# Altium PCB 通用工装板.PcbDoc (part 6 of 10) (continued)
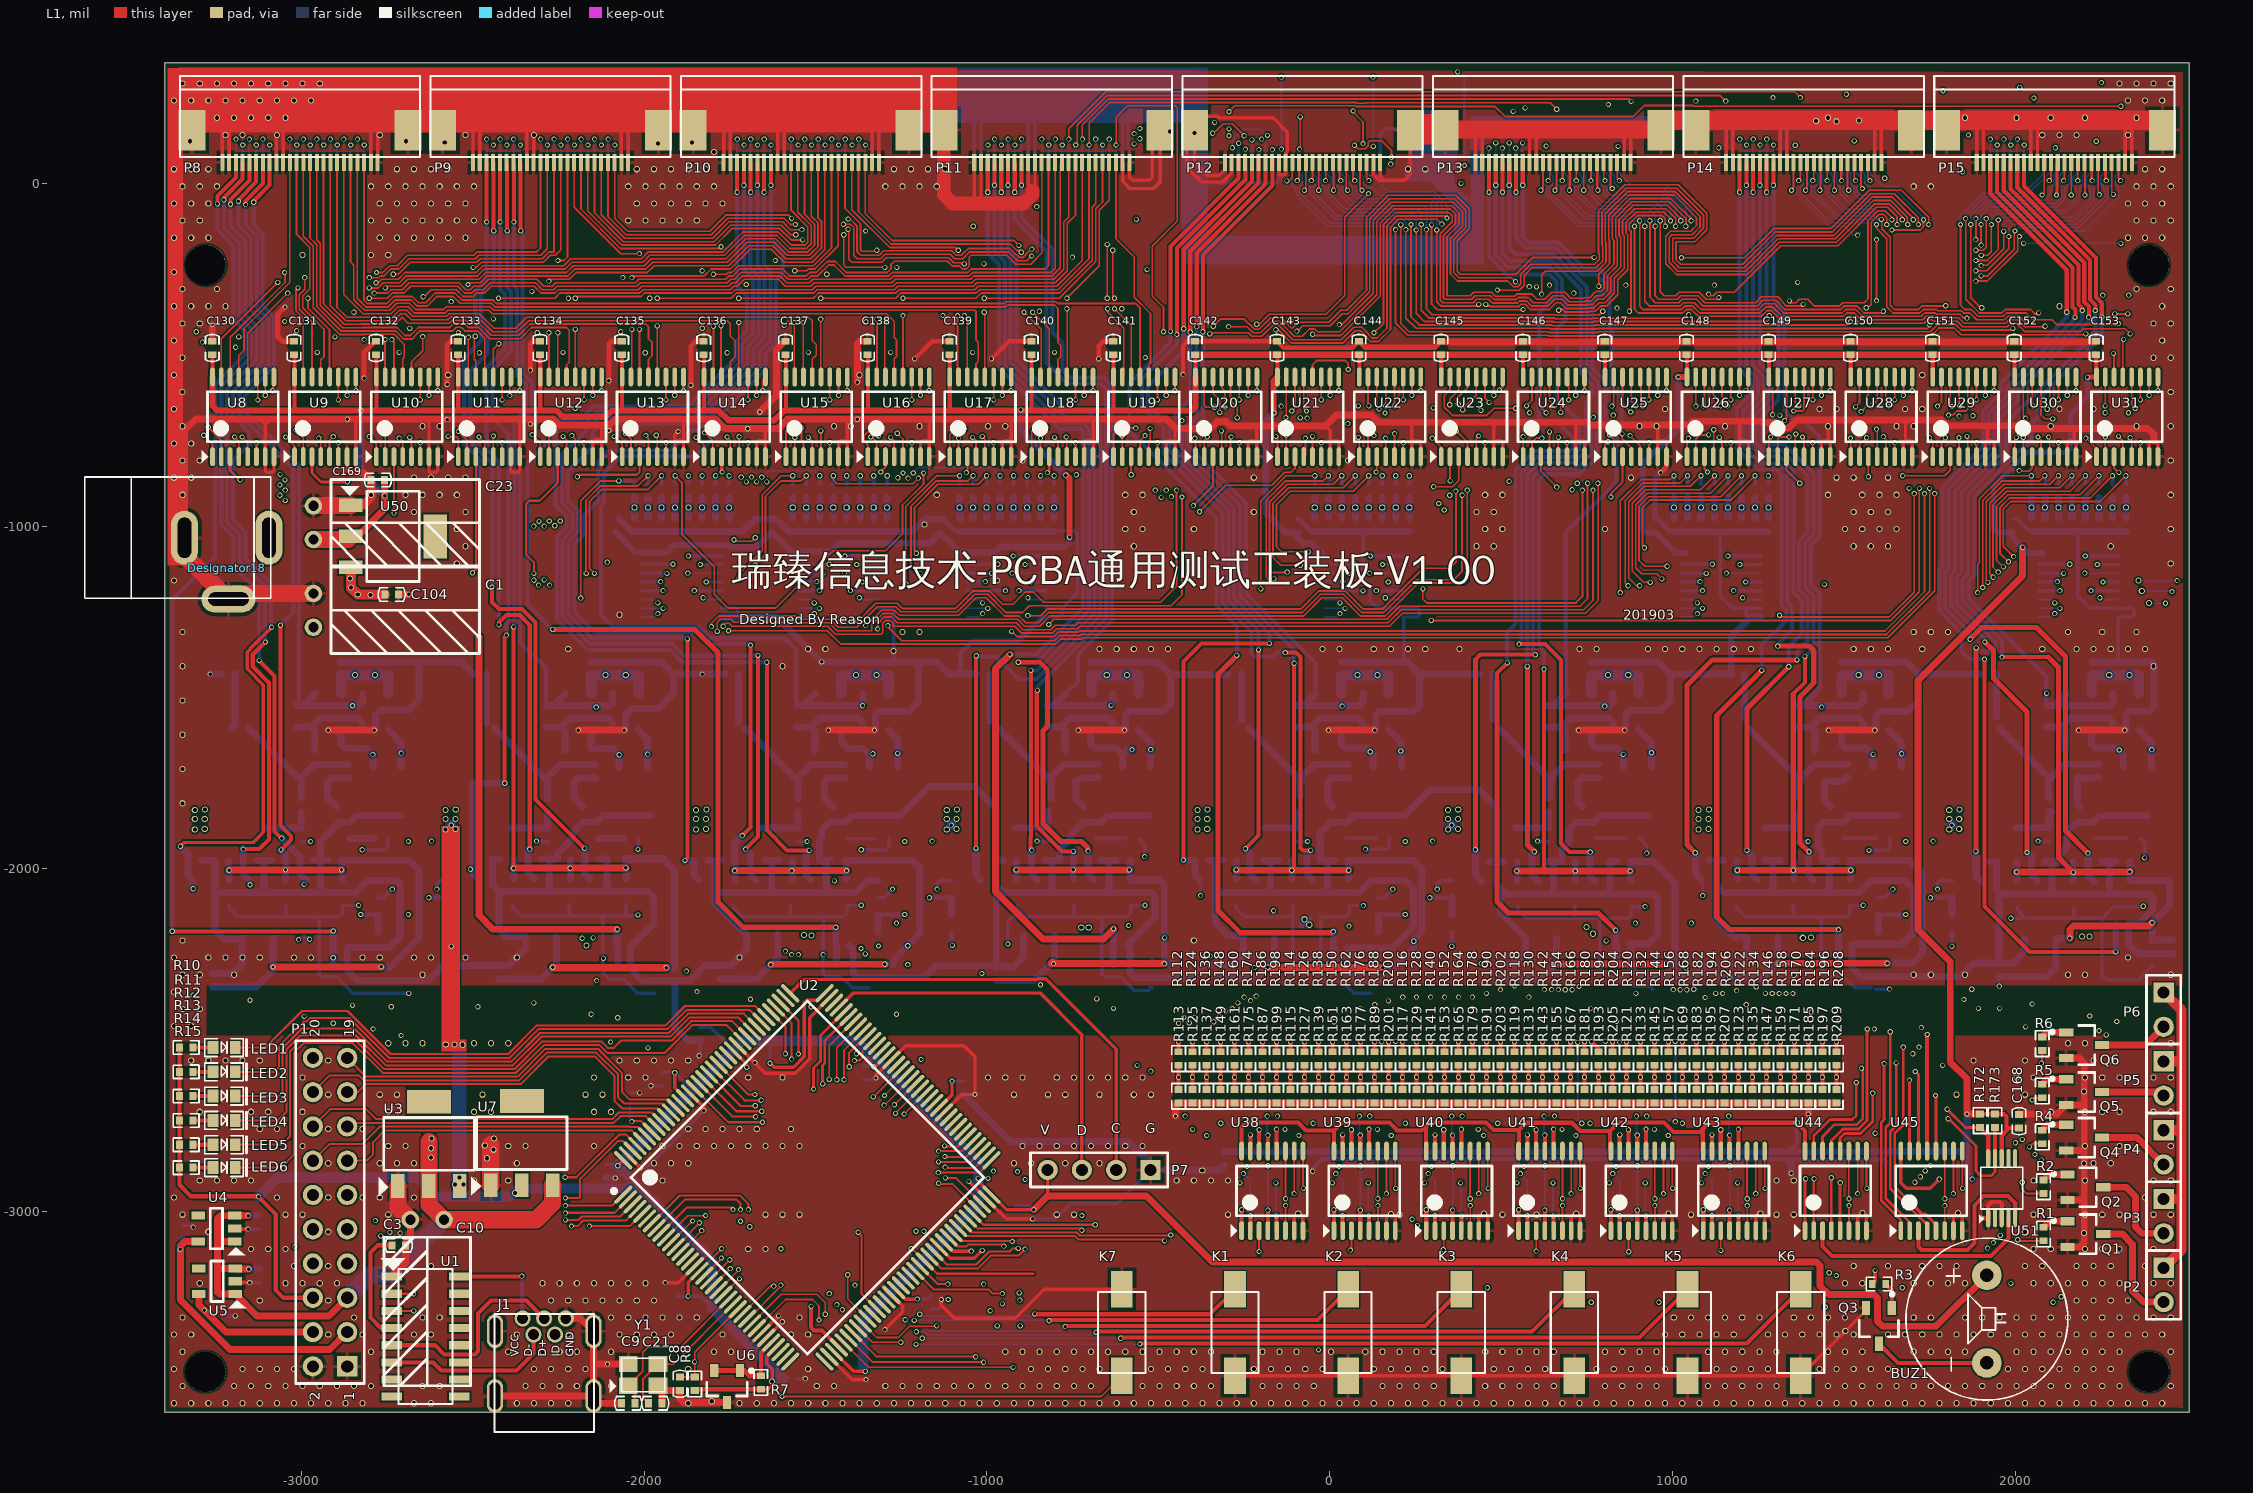
[diagram p0: L1 view]
## Nets (pads, with @x,y where several pads share a name; then routed paths per layer and width w, separated by ;. In a path a pad name is that pad's centre, name@x,y a point inside that pad or via, vN(x,y) a via of type N, cw(c..) or ccw(c..) an arc to the next point about the centre after c; other vN are vias at no path point) (continued)
  L2 w5: v1(-566,-714) -566,-107 v1(-564,-105)
  L3 w5: v1(-564,-105) -539.8,-105 -528.8,-116 -35.65,-116 -29.65,-110 56,-110 128,-38 128,-6 v1(114,8)
M4_GPIO12: P20.3 U20.1 | length 1803.1
  L1 w5: v1(-394,-743) -391.71,-745.29 U20.1@-391.71,-797.27 ; v1(-350,-439) -347,-436 -237.5,-436 -227.5,-446 -198,-446 -164,-412 -150.79,-412 -142,-420.79 -142,-421.6 -107.6,-456 33.86,-456 69.86,-420 94.14,-420 114,-439.86 114,-442.21 123,-451.21 137.79,-451.21 167,-422 167,-123.86 195.86,-95 336,-95 v1(342,-101)
  L2 w5: v1(-394,-743) -361,-710 -361,-642.64 -350,-631.64 v1(-350,-439)
  L4 w5: P20.3@107.35,60.67 107.35,30.65 115,23 120.21,23 168.21,-25 304.28,-25 342,-62.72 v1(342,-101)
M4_GPIO13: P20.4 U21.1 | length 1637.6
  L1 w5: v1(-157,-738) -152.75,-742.25 U21.1@-152.75,-797.27 ; v1(-157,-427) -150.74,-427 -111.74,-466 38,-466 74,-430 90,-430 104,-444 104,-446.36 118.86,-461.21 141.93,-461.21 177,-426.14 177,-128 200,-105 313,-105 v1(327,-119)
  L2 w5: v1(-157,-738) -157,-686.21 -121,-650.21 -121,-463 v1(-157,-427)
  L4 w5: P20.4@87.66,60.67 87.66,28.69 98,18.36 98,-2.79 109,-13.79 124.79,-13.79 146,-35 300.14,-35 327,-61.86 v1(327,-119)
M4_GPIO14: P20.5 U22.1 | length 1415.7
  L1 w5: v1@-214,-409 v1@-213,-409 ; v1(-213,-411) -211,-413 -211,-415 -209.43,-415 -176.43,-382 -11,-382 44,-327 44,-99 v1(113,-30) ; v1(83,-741) 86.21,-744.21 U22.1@86.21,-797.27
  L2 w5: v1(-213,-411) -131,-493 -131,-639 v1(-142,-650) ; v1(83,-741) v1(83,-649)
  L3 w5: v1(-142,-650) -141,-649 v1(83,-649)
  L4 w5: P20.5@67.98,60.67 67.98,34.24 88,14.21 88,1.79 77,-9.21 77,-24.21 87.79,-35 108,-35 v1(113,-30)
M4_GPIO15: P20.6 U23.1 | length 1388.7
  L1 w5: v1(299,-743) 325.17,-769.17 U23.1@325.17,-797.27 ; v1(312,-136) 312,-345 325,-358 429.41,-358 v1(434.41,-353)
  L2 w5: v1(299,-743) 299,-658 v1(302,-655) ; v1(434.41,-353) 434.41,-655.41 v1(441,-662)
  L3 w5: v1(302,-655) 325,-655 332,-662 367.79,-662 381.79,-676 394.21,-676 408.21,-662 v1(441,-662)
  L4 w5: P20.6@48.29,60.67 48.29,29.71 57,21 57,-3 67,-13 67,-28.36 83.64,-45 296,-45 312,-61 v1(312,-136)
M4_I2C_SCL: P20.14 U31.1 | length 3142.7
  L1 w5: v1(192,-135) 192,-408 227,-443 634.93,-443 636.93,-445 785.49,-445 787.18,-443.31 1755.83,-443.31 1777.14,-422 1821.93,-422 1841.93,-442 2203,-442 v1(2206,-439) ; v1(2206,-743) 2236.84,-773.84 U31.1@2236.84,-797.27
  L2 w5: v1(2206,-743) 2206,-598 2184,-576 2184,-461 v1(2206,-439)
  L4 w5: P20.14@-109.19,60.67 -110,59.86 -110,-3.79 -99,-14.79 -99,-30.36 -4.25,-125.11 185.11,-125.11 192,-132 v1(192,-135)
M4_I2C_SDA: P20.13 U30.1 | length 2924.9
  L1 w5: v1(207,-121) 207,-408.86 231.14,-433 639.08,-433 641.08,-435 781.35,-435 783.04,-433.31 1751.69,-433.31 1773,-412 1826.08,-412 1842.08,-428 1988,-428 v1(1993,-423) ; U30.1@1997.88,-797.27 1997.88,-747.88 2004.76,-741 v1(2003,-741)
  L2 w5: v1(1993,-423) 2014,-444 2014,-700 2004.76,-709.24 2003,-711 v1(2003,-741)
  L4 w5: P20.13@-89.5,60.67 -89.5,31.5 -80,22 -80,-3 -89,-12 -89,-26.21 -0.11,-115.11 57.89,-115.11 58,-115 201,-115 v1(207,-121)
M4_SPI_CLK: P20.11 U28.1 | length 2388.2
  L1 w5: v1(237,-120) 237,-389 261,-413 647.36,-413 649.36,-415 773.07,-415 774.75,-413.31 1508.69,-413.31 v1(1519,-403) ; v1(1519,-743) 1519.96,-743.96 U28.1@1519.96,-797.27
  L2 w5: v1@1519,-747 v1(1519,-743) v1(1519,-403)
  L4 w5: P20.11@-50.13,60.67 -50.13,27.54 -37,14.41 -37,1.79 -47,-8.21 -47,-26.21 21.79,-95 218,-95 237,-114 v1(237,-120)
M4_SPI_CS: P20.12 U29.1 | length 2629.1
  L1 w5: v1(222,-135) 222,-393 252,-423 643.22,-423 645.22,-425 777.21,-425 778.9,-423.31 1743.69,-423.31 1750,-417 v1(1750,-413) ; v1(1750,-742) 1758.92,-750.92 U29.1@1758.92,-797.27
  L2 w5: v1@1750,-746 v1(1750,-742) v1(1750,-413)
  L4 w5: P20.12@-69.82,60.67 -69.82,29.82 -69,29 -69,1.79 -57,-10.21 -57,-30.36 17.64,-105 212.21,-105 222,-114.79 v1(222,-135)
M4_SPI_MISO: P20.9 U26.1 | length 1886.4
  L1 w5: v1(267,-120) 267,-370 290,-393 655.64,-393 657.64,-395 764.78,-395 766.47,-393.31 1036.47,-393.31 v1(1046.78,-383) ; U26.1@1042.05,-797.27 1042.05,-746.95 v1(1046,-743)
  L2 w5: v1(1046,-743) 1046.78,-742.22 v1(1046.78,-383)
  L4 w5: P20.9@-10.76,60.67 -10.76,29.7 4.23,14.71 4.23,2.28 -4.02,-5.98 -4.02,-26.19 44.79,-75 254,-75 267,-88 v1(267,-120)
M4_SPI_MOSI: P20.10 U27.1 | length 2154.8
  L1 w5: v1(252,-136) 252,-379 276,-403 651.5,-403 653.5,-405 768.92,-405 770.61,-403.31 1274.69,-403.31 1282,-396 v1(1282,-386) ; U27.1@1281,-797.27 1281,-744 1285,-740 v1(1286,-740)
  L2 w5: v1(1282,-386) 1292,-396 1292,-653.79 1277,-668.79 1277,-731 v1(1286,-740)
  L4 w5: P20.10@-30.45,60.67 -30.45,25.45 -27,22 -27,1.79 -14.02,-11.19 -14.02,-30.33 40.64,-85 238,-85 252,-99 v1(252,-136)
M4_UART_RX: P20.8 U25.1 | length 1630.6
  L1 w5: v1(282,-135) 282,-366 299,-383 659.79,-383 661.79,-385 760.64,-385 762.33,-383.31 785.9,-383.31 v1(796.21,-373) ; v1@796.21,-378 v1@799,-378 ; U25.1@803.09,-797.27 803.09,-760.91 810,-754 v1(812,-754)
  L2 w5: v1(796.21,-373) 796.21,-739.79 810.43,-754 v1(812,-754)
  L4 w5: P20.8@8.92,60.67 8.92,29.08 14.23,23.77 14.23,-2.02 26,-13.79 26,-29.36 61.64,-65 274,-65 282,-73 v1(282,-135)
M4_UART_TX: P20.7 U24.1 | length 1385.5
  L1 w5: v1(297,-121) 297,-352 314,-369 563,-369 v1(564,-368) ; v1(564,-739) 564.13,-739.13 U24.1@564.13,-797.27 ; v1@564.21,-368 v1@568,-368
  L2 w5: v1(564,-739) 564.21,-738.79 557,-731.57 557,-644.79 573,-628.79 573,-377 v1(564,-368)
  L4 w5: P20.7@28.61,60.67 28.61,32.61 47,14.21 47,-3.79 37,-13.79 37,-26.21 65.79,-55 291.86,-55 297,-60.14 v1(297,-121)
M5_ADC1: P21.17 R26.1 | length 4438
  L1 w5: v1(-1787,-1307) -1787,-1281 -1778,-1272 -1747,-1272 -1739,-1280 -1556,-1280 -1554,-1282 -1460.72,-1282 -1437.72,-1305 -1338,-1305 -1336,-1303 -1336,-1287.5 -1303.5,-1255 -1274.5,-1255 -1257.5,-1272 -910.72,-1272 -890.72,-1292 -846.21,-1292 -816.21,-1262 -76,-1262 -23,-1209 35.98,-1209 88.98,-1262 161.72,-1262 257.72,-1166 393,-1166 401,-1158 v1(401,-895)
  L2 w5: v1(401,-895) 400.14,-894.14 400.14,-864.14 488.12,-776.16 488.12,-670.6 532,-626.72 532,-581.72 474.41,-524.13 474.41,-387.28 490,-371.69 490,-335.72 449,-294.72 449,-16 562.74,97.74 v1(562.74,118)
  L2 w6: v1(-1831.11,-853.04) -1800.65,-883.5 -1750.96,-883.5 -1721,-913.46 -1721,-959.56 -1787,-1025.56 v1(-1787,-1307)
  L4 w5: P21.17@562.91,60.67 v1@562.91,118
  L4 w12: R26.1@-1831.11,-876.34 v1(-1831.11,-853.04)
M5_ADC2: P21.18 R42.1 | length 3938.2
  L1 w5: v1(-1354,-1290) -1352.64,-1290 -1307.64,-1245 -1270.36,-1245 -1255.36,-1260 -1083,-1260 -1032,-1209 -1002,-1209 -949,-1262 -906.57,-1262 -886.57,-1282 -850.36,-1282 -820.36,-1252 -80.14,-1252 -27.14,-1199 40.12,-1199 93.12,-1252 157.57,-1252 253.57,-1156 362,-1156 386,-1132 v1(386,-910)
  L2 w5: v1(386,-910) 386,-864.14 478.12,-772.02 478.12,-661.48 478,-661.36 522,-617.36 522,-585.86 464.41,-528.27 464.41,-383.14 480,-367.55 480,-339.86 439,-298.86 439,-0.74 v1(542.74,103)
  L2 w6: v1(-1369.83,-853.04) -1337.35,-885.52 -1308.89,-885.52 -1222.5,-971.91 -1222.5,-1038.09 -1310.5,-1126.09 -1310.5,-1230.5 -1354,-1274 v1(-1354,-1290)
  L4 w5: P21.18@543.23,60.67 v1@543.23,102.51
  L4 w12: R42.1@-1369.83,-876.34 v1(-1369.83,-853.04)
M5_ADC3: P21.19 R58.1 | length 3340.4
  L1 w5: v1(-881,-1261) -843.5,-1261 -824.5,-1242 -84.28,-1242 -31.28,-1189 44.26,-1189 97.26,-1242 153.43,-1242 272.43,-1123 350,-1123 368,-1105 v1(368,-898)
  L2 w5: v1(368,-898) 365,-895 365,-892.14 376,-881.14 376,-860 468.12,-767.88 468.12,-713.12 468,-713 468,-657.21 512,-613.21 512,-590 454.41,-532.41 454.41,-379 470,-363.41 470,-344 429,-303 429,7.42 523.37,101.79 v1(523.37,118)
  L2 w6: v1(-882.83,-853.04) -882.83,-889.17 -860,-912 -792,-912 -782,-922 -782,-972 -783.5,-973.5 -783.65,-973.5 -827,-1016.85 -827,-1196 -881,-1250 v1(-881,-1261)
  L4 w5: P21.19@523.54,60.67 v1@523.54,118
  L4 w12: R58.1@-882.83,-876.34 v1(-882.83,-853.04)
M5_ADC4: P21.20 R74.1 | length 1391
  L2 w5: v1(350,-910) 350,-893 366,-877 366,-776.72 365.28,-776 424,-717.28 424,-621.36 419,-616.36 419,11.56 503.37,95.93 v1(503.37,103)
  L3 w5: v1(153.24,-853.04) 151,-855.28 151,-889 172,-910 v1(350,-910)
  L4 w5: P21.20@503.86,60.67 v1@503.86,102.51
  L4 w12: R74.1@153.24,-876.34 v1(153.24,-853.04)
M5_ADC5: P21.21 R90.1 | length 2575.9
  L1 w5: v1(984,-1117) 919,-1117 902.28,-1100.28 902.28,-941.71 929.99,-914 1140.11,-914 v1(1201.07,-853.04)
  L2 w5: v1(334,-953) 333,-952 333,-794.14 414,-713.14 414,-633.5 409,-628.5 409,15.7 484,90.7 v1(484,118)
  L3 w5: v1(334,-953) 334,-1049.44 373.56,-1089 956,-1089 v1(984,-1117)
  L4 w5: P21.21@484.17,60.67 v1@484.17,118
  L4 w12: R90.1@1201.07,-876.34 v1(1201.07,-853.04)
M5_ADC6: P21.22 R106.1 | length 3581.2
  L1 w5: v1(1965,-1119) 1945,-1099 1945,-941.71 1978.67,-908.04 2188.79,-908.04 v1(2243.79,-853.04)
  L2 w5: v1(318,-934) 318,-795 357,-756 357,-755.21 404,-708.21 404,-637.64 399,-632.64 399,20 464,85 v1(464,103)
  L3 w5: v1(318,-934) 318,-1047.58 369.42,-1099 943.43,-1099 987.36,-1142.93 1110.29,-1020 1246.71,-1020 1331.71,-1105 1871.71,-1105 1886.46,-1119.75 1887.22,-1119 v1(1965,-1119)
  L4 w5: v1(464,103) 464.49,102.51 P21.22@464.49,60.67
  L4 w12: R106.1@2243.73,-876.34 v1(2243.79,-853.04)
M5_FADC1: R26.2 R27.1 U32.5 | length 392.6
  L2 w10: v1@-1853.5,-1187.5 -1853.5,-968.35 v2(-1831.15,-946)
  L3 w10: v1(-1854,-1188) v1@-1853.5,-1187.5
  L4 w10: v1(-1854,-1188) -1774.33,-1188 U32.5@-1773.98,-1188.35
  L4 w20: R27.1@-1831.11,-976.69 R26.2@-1831.11,-915.71
M5_FADC2: R42.2 R43.1 U33.5 | length 392.1
  L2 w10: v1@-1397.59,-1187.5 -1397.59,-968.35 v2@-1375.24,-946
  L3 w10: v1(-1398.09,-1188) v1@-1397.59,-1187.5
  L4 w10: v1(-1398.09,-1188) U33.5@-1318.43,-1188
  L4 w20: R43.1@-1369.89,-976.73 R42.2@-1369.89,-915.71
  other v2: -1369.93,-946
M5_FADC3: R58.2 R59.1 U34.5 | length 392.1
  L2 w10: v1@-906.26,-1187.5 -906.26,-968.35 v2@-883.91,-946
  L3 w10: v1(-906.76,-1188) v1@-906.26,-1187.5
  L4 w10: v1(-906.76,-1188) U34.5@-827.09,-1188
  L4 w20: R59.1@-882.95,-976.69 R58.2@-882.89,-915.71
  other v2: -882.98,-946
M5_FADC4: R74.2 R75.1 U35.5 | length 392.1
  L2 w10: v1@136.26,-1187.5 136.26,-968.35 v2@158.61,-946
  L3 w10: v1(135.76,-1188) v1@136.26,-1187.5
  L4 w10: v1(135.76,-1188) U35.5@215.43,-1188
  L4 w20: R75.1@153.18,-976.73 R74.2@153.18,-915.71
  other v2: 153.14,-946
M5_FADC5: R90.2 R91.1 U36.5 | length 392.1
  L2 w10: v1@1178.78,-1187.5 1178.78,-968.35 v2@1201.13,-946
  L3 w10: v1(1178.28,-1188) v1@1178.78,-1187.5
  L4 w10: v1(1178.28,-1188) U36.5@1257.95,-1188
  L4 w20: R91.1@1201.01,-976.69 R90.2@1201.01,-915.71
  other v2: 1200.97,-946
M5_FADC6: R106.2 R107.1 U37.5 | length 392.1
  L2 w10: v1@2221.3,-1187.5 2221.3,-968.35 v2(2243.69,-946)
  L3 w10: v1(2220.8,-1188) v1@2221.3,-1187.5
  L4 w10: v1(2220.8,-1188) U37.5@2300.47,-1188
  L4 w20: R107.1@2243.73,-976.73 R106.2@2243.73,-915.71
M5_GPIO0: P13.11 U8.5 | length 4552.9
  L1 w5: v1(-3173,-740) -3156.86,-756.14 U8.5@-3156.86,-797.27 ; v1(616,-20) 621.97,-14.03 P13.11@621.97,60.67
  L2 w5: v1(-3183,-448) -3173,-458 v1(-3173,-740)
  L3 w5: v1(-3183,-448) -3178,-453 -3072.36,-453 -3024.36,-405 -3003.64,-405 -2960.64,-448 -2935.36,-448 -2930.36,-453 -2928.21,-453 -2908.21,-433 -2858.43,-433 -2825.43,-400 -2701.43,-400 -2691.43,-390 -2599.71,-390 -2570.14,-360.43 -2356.64,-360.43 -2326.21,-330 -2279.64,-330 -2239.64,-290 -2182.36,-290 -2172.36,-300 -2028.57,-300 -1998.57,-270 -1825,-270 -1805,-250 -1749.08,-250 -1729.08,-230 -1675.23,-230 -1665.23,-240 -1597.28,-240 -1577.28,-220 -1532.63,-220 -1502.63,-190 -1383.13,-190 -1343.13,-150 -1309.07,-150 -1297.85,-138.79 -1119.71,-138.79 -1110.92,-130 -1057.08,-130 -1047.08,-140 -1010.14,-140 -953.14,-83 -741.56,-83 -737.56,-87 -692.35,-87 -688.35,-83 -609.65,-83 -572.65,-120 -538.94,-120 -532.94,-126 -31.51,-126 -25.51,-120 155.79,-120 186.79,-151 318.21,-151 327,-142.21 327,-142.16 363.16,-106 363.21,-106 427.21,-42 557.31,-42 564.31,-35 601,-35 v1(616,-20)
M5_GPIO1: P13.12 U9.5 | length 4245.4
  L1 w5: U9.5@-2917.9,-797.27 -2917.9,-749.9 v1(-2907,-739) ; v1(637,8) 641.65,12.65 P13.12@641.65,60.67
  L2 w5: v1(-2907,-739) -2907,-643.56 -2907.31,-643.25 -2907.31,-453.31 v1(-2902,-448)
  L3 w5: v1(-2902,-448) -2901,-449 -2860.28,-449 -2821.28,-410 -2692.21,-410 -2682.21,-400 -2595.57,-400 -2566,-370.43 -2352.5,-370.43 -2322.07,-340 -2275.5,-340 -2235.5,-300 -2186.5,-300 -2176.5,-310 -2024.43,-310 -1994.43,-280 -1775.07,-280 -1755.07,-260 -1744.93,-260 -1724.93,-240 -1679.37,-240 -1669.37,-250 -1593.14,-250 -1573.14,-230 -1528.49,-230 -1498.49,-200 -1378.99,-200 -1338.99,-160 -1304.92,-160 -1293.71,-148.79 -1115.57,-148.79 -1106.78,-140 -1061.22,-140 -1051.22,-150 -1005.99,-150 -948.99,-93 -745.71,-93 -741.71,-97 -688.21,-97 -684.21,-93 -613.79,-93 -576.79,-130 -543.09,-130 -537.09,-136 -27.37,-136 -21.37,-130 151.64,-130 182.64,-161 322.36,-161 431.36,-52 561.45,-52 568.45,-45 612.21,-45 637,-20.21 v1(637,8)
M5_GPIO2: P13.13 U10.5 | length 4056.2
  L1 w5: v1(-2684,-741) -2678.94,-746.06 U10.5@-2678.94,-797.27 ; v1(657,-20) 661.34,-15.66 P13.13@661.34,60.67
  L2 w5: v1(-2684,-741) v1(-2684,-423)
  L3 w5: v1(-2684,-423) -2671,-410 -2591.43,-410 -2561.86,-380.43 -2348.36,-380.43 -2317.92,-350 -2271.36,-350 -2231.36,-310 -2190.64,-310 -2180.64,-320 -2020.28,-320 -1990.28,-290 -1770.92,-290 -1750.92,-270 -1740.79,-270 -1720.79,-250 -1683.51,-250 -1673.51,-260 -1589,-260 -1569,-240 -1524.35,-240 -1494.35,-210 -1374.85,-210 -1334.85,-170 -1300.78,-170 -1289.57,-158.79 -1111.43,-158.79 -1102.64,-150 -1065.36,-150 -1055.36,-160 -1001.85,-160 -944.85,-103 -749.85,-103 -745.85,-107 -684.07,-107 -680.07,-103 -617.93,-103 -580.93,-140 -547.23,-140 -541.23,-146 -23.22,-146 -17.22,-140 147.5,-140 178.5,-171 326.5,-171 435.5,-62 565.59,-62 572.59,-55 622,-55 v1(657,-20)
M5_GPIO3: P13.14 U11.5 | length 3930.3
  L1 w5: U11.5@-2439.98,-797.27 v1(-2440,-737) ; v1(678,8) 678,57.65 P13.14@681.02,60.67 681.02,11.02 v1(678,8)
  L2 w5: v1(-2440,-737) -2472,-705 -2472,-509 -2464,-501 -2464,-419.43 v1(-2440,-395.43)
  L3 w5: v1(-2440,-395.43) -2349.21,-395.43 -2313.78,-360 -2267.21,-360 -2227.21,-320 -2194.79,-320 -2184.79,-330 -2016.14,-330 -1986.14,-300 -1766.78,-300 -1746.78,-280 -1736.65,-280 -1716.65,-260 -1687.66,-260 -1677.66,-270 -1540.21,-270 -1516.57,-246.36 -1512.5,-246.36 -1486.14,-220 -1370.71,-220 -1330.71,-180 -1296.64,-180 -1285.43,-168.79 -1107.28,-168.79 -1098.5,-160 -1069.5,-160 -1059.5,-170 -997.71,-170 -940.71,-113 -753.99,-113 -749.99,-117 -679.92,-117 -675.92,-113 -622.08,-113 -585.08,-150 -551.37,-150 -545.37,-156 -19.08,-156 -13.08,-150 143.36,-150 174.36,-181 330.64,-181 439.64,-72 569.73,-72 576.73,-65 633.21,-65 678,-20.21 v1(678,8)
  L4 w5: v1(-2440,-395.43) -2439,-396.43 v1@-2439,-398
M5_GPIO4: P13.15 U12.5 | length 3813.8
  L1 w5: v1(-2211,-736) -2201.02,-745.98 U12.5@-2201.02,-797.27 ; v1(699,-20) 699,58.96 P13.15@700.71,60.67 700.71,-18.29 v1(699,-20)
  L2 w5: v1(-2221,-335) -2221,-726 v1(-2211,-736)
  L3 w5: v1(-2221,-335) -2221,-336.21 -2197.21,-360 -2091.71,-360 -2071.71,-340 -2012,-340 -1982,-310 -1762.64,-310 -1742.64,-290 -1732.51,-290 -1712.51,-270 -1691.8,-270 -1681.8,-280 -1536.07,-280 -1512.43,-256.36 -1508.36,-256.36 -1482,-230 -1332.5,-230 -1281.28,-178.79 -1103.14,-178.79 -1094.36,-170 -1073.64,-170 -1063.64,-180 -993.57,-180 -936.57,-123 -758.13,-123 -754.13,-127 -675.78,-127 -671.78,-123 -626.22,-123 -589.22,-160 -555.51,-160 -549.51,-166 -14.94,-166 -8.94,-160 139.22,-160 170.22,-191 334.78,-191 443.78,-82 573.87,-82 580.87,-75 685.01,-75 699,-61.01 v1(699,-20)
  L4 w5: v1(-2221,-335) -2219,-335 v1@-2218,-336
M5_GPIO5: P13.16 U13.5 | length 3489.4
  L1 w5: v1(-1965,-735) -1962.06,-737.94 U13.5@-1962.06,-797.27 ; v1(719,8) 719,59.28 P13.16@720.39,60.67
  L2 w5: v1(-1984,-335) -1982,-337 -1982,-718 v1(-1965,-735)
  L3 w5: v1(-1984,-335) -1984,-333 -1971,-320 -1758.5,-320 -1738.5,-300 -1728.37,-300 -1708.37,-280 -1695.94,-280 -1685.94,-290 -1531.92,-290 -1508.28,-266.36 -1504.22,-266.36 -1477.86,-240 -1328.36,-240 -1277.14,-188.79 -1099,-188.79 -1090.21,-180 -1077.79,-180 -1067.79,-190 -989.43,-190 -932.43,-133 -762.27,-133 -758.27,-137 -671.64,-137 -667.64,-133 -630.36,-133 -593.36,-170 -559.66,-170 -553.66,-176 -10.8,-176 -4.8,-170 135.08,-170 166.08,-201 338.92,-201 447.92,-92 578.02,-92 585.02,-85 689.15,-85 703.15,-71 703.71,-71 719,-55.71 v1(719,8)
M5_GPIO6: P13.17 U14.5 | length 3234.3
  L1 w5: U14.5@-1723.1,-797.27 v1(-1723.1,-739.1) ; P13.17@740.08,60.67 741,59.75 v1(741,-20)
  L2 w5: v1(-1723.1,-739.1) -1723.1,-440.1 -1708,-425 -1708,-300.85 v1(-1702.15,-295)
  L3 w5: v1(-1702.15,-295) -1697.15,-300 -1527.78,-300 -1507.78,-280 -1503.72,-280 -1473.72,-250 -1324.21,-250 -1294.21,-220 -1088.14,-220 -1078.14,-210 -1077.79,-210 -1069,-201.21 -1069,-200.86 -1068.14,-200 -985.28,-200 -928.28,-143 -766.42,-143 -762.42,-147 -667.5,-147 -663.5,-143 -634.5,-143 -597.5,-180 -563.8,-180 -557.8,-186 -6.66,-186 -0.66,-180 130.93,-180 161.93,-211 343.07,-211 452.07,-102 582.16,-102 589.16,-95 693.29,-95 707.29,-81 707.85,-81 741,-47.85 v1(741,-20)
M5_GPIO7: P13.18 U15.5 | length 3060.7
  L1 w5: U15.5@-1484.14,-797.27 v1@-1484.14,-722.86 ; P13.18@759.76,60.67 762,58.43 v1(762,8)
  L2 w5: v1(-1485,-722) -1485,-620 -1467.5,-602.5 v1(-1467.5,-265)
  L3 w5: v1(-1467.5,-265) -1467.5,-274.72 -1461.22,-281 -1297.07,-281 -1278,-261.93 -1278,-238.79 -1269.21,-230 -1084,-230 -1074,-220 -1073.64,-220 -1063.64,-210 -981.14,-210 -924.14,-153 -770.56,-153 -766.56,-157 -663.36,-157 -659.36,-153 -638.64,-153 -601.64,-190 -567.94,-190 -561.94,-196 -2.51,-196 3.49,-190 126.79,-190 157.79,-221 347.21,-221 456.21,-112 586.3,-112 593.3,-105 697.44,-105 711.44,-91 711.99,-91 762,-40.99 v1(762,8)
M5_GPIO8: P13.19 U16.5 | length 2952.9
  L1 w5: v1(-1262,-729) -1245.18,-745.82 U16.5@-1245.18,-797.27 ; v1@779.45,-17.45 P13.19@779.45,60.67 782,58.12 v1(782,-20) v1@779.45,-17.45
  L2 w5: v1(-1263,-245) -1263,-728 v1(-1262,-729)
  L3 w5: v1(-1263,-245) -1248,-260 -1069.14,-260 -1029.14,-220 -977,-220 -920,-163 -774.7,-163 -770.7,-167 -659.21,-167 -655.21,-163 -642.79,-163 -605.79,-200 -572.08,-200 -566.08,-206 1.63,-206 7.63,-200 122.65,-200 153.65,-231 351.35,-231 460.35,-122 590.44,-122 597.44,-115 701.58,-115 715.58,-101 716.14,-101 782,-35.14 v1(782,-20)
  L4 w5: v1@-1267,-249 v1(-1263,-245)
M5_GPIO9: P13.20 U17.5 | length 2628.6
  L1 w5: v1(-1014,-738) -1006.23,-745.77 U17.5@-1006.23,-797.27 ; P13.20@799.13,60.67 799.13,11.87 v1(803,8)
  L2 w5: v1(-1014,-738) -1014,-416 -993,-395 -993,-326 -1009,-310 v1(-1009,-235)
  L3 w5: v1(-1009,-235) -973.65,-235 -948.65,-260 -896.63,-260 -856.63,-220 -787,-220 -767,-200 -744,-200 -734,-210 -576.22,-210 -570.22,-216 5.77,-216 11.77,-210 118.51,-210 149.51,-241 355.49,-241 464.49,-132 594.58,-132 601.58,-125 705.72,-125 719.72,-111 720.28,-111 803,-28.28 v1(803,8)
M5_GPIO10: P13.21 U18.5 | length 2371.9
  L1 w5: v1(-769,-740) -767.27,-741.73 U18.5@-767.27,-797.27 ; P13.21@818.82,60.67 818.82,-14.82 819,-15 v1(824,-15)
  L2 w5: v1(-769,-740) -769,-631.76 -737.24,-600 -751,-586.24 v1(-751,-215)
  L3 w5: v1@-746,-220 -580.37,-220 -574.37,-226 9.91,-226 15.91,-220 114.37,-220 145.37,-251 359.63,-251 468.63,-142 598.73,-142 605.73,-135 709.86,-135 723.86,-121 724.42,-121 824,-21.42 v1(824,-15)
M5_GPIO11: P13.22 U19.5 | length 2147.1
  L1 w5: v1@-536.22,-256.22 -533,-253 v1(-533,-251) ; U19.5@-528.31,-797.27 -528.31,-757.31 -524,-753 v1(-524,-715) ; P13.22@838.5,60.67 838.5,14.5 v1(845,8)
  L2 w5: v1(-533,-251) -533,-253 -523,-263 -523,-517.21 -526,-520.21 -526,-713 v1(-524,-715)
  L3 w5: v1(-533,-251) -531,-251 -516,-236 14.06,-236 20.06,-230 110.22,-230 141.22,-261 363.78,-261 472.78,-152 602.87,-152 609.87,-145 714.01,-145 728.01,-131 740,-131 845,-26 v1(845,8)
M5_GPIO12: P21.3 U20.5 | length 2973.1
  L1 w5: v1(-295,-418) -241.36,-418 -223.36,-436 -202.14,-436 -168.14,-402 -146.64,-402 -132,-416.64 -132,-417.45 -103.45,-446 -80,-446 -59,-425 -43.79,-425 -35.79,-433 28.57,-433 137,-324.57 137,-111.43 183.43,-65 355.5,-65 377,-86.5 377,-120.5 342,-155.5 342,-328 409.91,-328 419.91,-318 471.79,-318 482.79,-329 539.36,-329 545.36,-323 589.43,-323 604.43,-338 627.57,-338 647.57,-318 685.64,-318 702.64,-335 739.93,-335 741.62,-333.31 758.12,-333.31 773.43,-318 775.79,-318 778.79,-315 791.21,-315 800,-306.21 800,-264.78 829,-235.78 829,-165.71 824,-160.71 824,-97.08 877.08,-44 994.36,-44 1054,-103.64 v1(1054,-109) ; U20.5@-289.35,-797.27 v1@-289.35,-741.35
  L2 w5: v1(-295,-418) -295,-636 -291,-640 -291,-737 v1(-288,-740)
  L4 w5: P21.3@838.5,60.67 838.5,35.71 878.21,-4 978.85,-4 1054,-79.15 v1(1054,-109)
M5_GPIO13: P21.4 U21.5 | length 2690.3
  L1 w5: U21.5@-50.39,-797.27 -50.39,-738.39 v1(-50,-738) ; v1(-50,-440) -46,-444 31.72,-444 147,-328.72 147,-115.57 187.57,-75 351.36,-75 367,-90.64 367,-116.36 332,-151.36 332,-336.72 333.28,-338 414.05,-338 424.05,-328 467.64,-328 478.64,-339 543.5,-339 549.5,-333 578.5,-333 593.5,-348 631.72,-348 651.72,-328 681.5,-328 698.5,-345 744.07,-345 745.76,-343.31 762.26,-343.31 777.57,-328 794.57,-328 810,-312.57 810,-268.92 839,-239.92 839,-161.57 834,-156.57 834,-101.22 881.22,-54 990.21,-54 1039,-102.79 v1(1039,-125)
  L2 w5: v1(-50,-738) v1(-50,-440)
  L4 w5: P21.4@818.82,60.67 818.82,33.18 830,22 830,1.79 845.79,-14 974.71,-14 1039,-78.29 v1(1039,-125)
M5_GPIO14: P21.5 U22.5 | length 2610.6
  L1 w5: v1(129,-436) 157,-408 157,-119.72 191.72,-85 347.21,-85 357,-94.79 357,-112.21 322,-147.21 322,-340.86 329.14,-348 418.2,-348 428.2,-338 463.5,-338 474.5,-349 547.64,-349 553.64,-343 574.36,-343 589.36,-358 635.86,-358 655.86,-338 677.36,-338 694.36,-355 748.21,-355 749.9,-353.31 766.4,-353.31 781.72,-338 798.72,-338 820,-316.72 820,-273.07 849,-244.07 849,-157.43 844,-152.43 844,-105.36 885.36,-64 985.14,-64 1024,-102.86 v1(1024,-109) ; U22.5@188.57,-797.27 188.57,-730.43 v1(189,-730)
  L2 w5: v1(129,-736) v1(129,-436)
  L3 w5: v1(129,-736) 131.14,-736 142.14,-725 184,-725 v1(189,-730)
  L4 w5: P21.5@799.13,60.67 799.13,35.87 818,17 818,1 809,-8 809,-26.21 817.79,-35 843.14,-35 854.14,-24 970.57,-24 1024,-77.43 v1(1024,-109)
M5_GPIO15: P21.6 U23.5 | length 1712.2
  L1 w5: U23.5@427.53,-797.27 427.53,-743.47 v1(434,-737) ; v1(455,-353) 460,-353 455,-358 469.36,-358 470.36,-359 551.79,-359 557.79,-353 570.21,-353 585.21,-368 640,-368 660,-348 673.21,-348 690.21,-365 752.36,-365 754.04,-363.31 770.55,-363.31 785.86,-348 802.86,-348 830,-320.86 830,-277.21 859,-248.21 859,-153.28 854,-148.28 854,-109.5 889.5,-74 981,-74 1009,-102 v1(1009,-125)
  L2 w5: v1(434,-737) 458,-713 458,-657.79 444.41,-644.2 444.41,-364.21 455,-353.62 v1(455,-353)
  L4 w5: P21.6@779.45,60.67 779.45,29.55 788,21 788,1.79 799,-9.21 799,-30.36 813.64,-45 847.28,-45 858.28,-34 966.43,-34 1009,-76.57 v1(1009,-125)
M5_I2C_SCL: P21.14 U31.5 | length 2539.6
  L1 w5: v1(889,-125) 889,-367 900,-378 1030,-378 1040,-368 1055,-368 1075,-388 1258.79,-388 1275.79,-371 1288.22,-371 1315.22,-398 1502.79,-398 1512.79,-388 1526,-388 1546,-408 1733.79,-408 1743.79,-398 1757,-398 1761,-402 1830.22,-402 1846.22,-418 1976.79,-418 1986.79,-408 2003,-408 2027,-432 2191.79,-432 2199.79,-424 2320,-424 v1(2335,-439) ; v1(2335,-742) 2339.2,-746.2 U31.5@2339.2,-797.27
  L2 w5: v1(2335,-742) 2315,-722 2315,-498 2335,-478 v1(2335,-439)
  L4 w5: P21.14@621.97,60.67 621.97,1.82 632,-8.21 632,-30.36 726.64,-125 v1(889,-125)
M5_I2C_SDA: P21.13 U30.5 | length 2298.8
  L1 w5: v1(904,-109) 904,-359 913,-368 1025.86,-368 1035.86,-358 1059.14,-358 1079.14,-378 1254.64,-378 1271.64,-361 1292.36,-361 1319.36,-388 1498.64,-388 1508.64,-378 1530.14,-378 1550.14,-398 1729.64,-398 1739.64,-388 1762.14,-388 1766.14,-392 1834.36,-392 1850.36,-408 1972.64,-408 1982.64,-398 2007.14,-398 2027.14,-418 2086,-418 v1(2087,-417) v1@2089,-415 ; v1(2097,-740) 2100.24,-746.24 U30.5@2100.24,-797.27
  L2 w5: v1(2087,-417) 2087,-422 2076,-433 2076,-719 v1(2097,-740)
  L4 w5: P21.13@641.65,60.67 641.65,31.35 652,21 652,-2 642,-12 642,-26.21 730.79,-115 877.79,-115 882.79,-110 903,-110 v1(904,-109)
M5_SPI_CLK: P21.11 U28.5 | length 1781.6
  L1 w5: v1(934,-109) 934,-332 950,-348 1017.57,-348 1027.57,-338 1070,-338 1090,-358 1246.36,-358 1263.36,-341 1302.43,-341 1313,-351.57 1313,-353.36 1327.64,-368 1490.36,-368 1500.36,-358 1538.43,-358 1558.43,-378 1615,-378 v1(1615,-373) ; v1(1615,-739) 1622.33,-746.33 U28.5@1622.33,-797.27
  L2 w5: v1(1615,-739) v1(1615,-373)
  L4 w5: P21.11@681.02,60.67 681.02,32.98 694,20 694,-1 684,-11 684,-26.21 752.79,-95 867.99,-95 878.99,-84 914.36,-84 934,-103.64 932,-105.64 934,-107.64 v1(934,-109)
M5_SPI_CS: P21.12 U29.5 | length 2023.9
  L1 w5: v1(919,-125) 919,-344 933,-358 1021.72,-358 1031.72,-348 1063.28,-348 1083.28,-368 1250.5,-368 1267.5,-351 1298.28,-351 1303,-355.72 1303,-357.5 1323.5,-378 1494.5,-378 1504.5,-368 1534.28,-368 1554.28,-388 1725.5,-388 1735.5,-378 1766.28,-378 1770.28,-382 1838.5,-382 1849.5,-393 v1(1859,-393) ; U29.5@1861.28,-797.27 v1@1861.28,-740.29
  L2 w5: v1(1859,-738) v1(1859,-393)
  L4 w5: P21.12@661.34,60.67 661.34,31.66 663,30 663,-1 674,-12 674,-30.36 748.64,-105 873.64,-105 884.64,-94 910.21,-94 919,-102.79 v1(919,-125)
M5_SPI_MISO: P21.9 U26.5 | length 1268
  L1 w5: v1(964,-109) 964,-316 976,-328 1009.29,-328 1019.29,-318 1078.28,-318 1098.28,-338 1134,-338 1135,-337 v1(1135,-333) ; v1(1136,-741) 1144.41,-749.41 U26.5@1144.41,-797.27
  L2 w5: v1(1135,-333) 1135,-498 1125,-508 1125,-694 1135,-704 1135,-740 v1(1136,-741)
  L4 w5: P21.9@720.39,60.67 720.39,34.61 736,19 736,1 726,-9 726,-26.21 774.79,-75 859.71,-75 870.71,-64 941,-64 964,-87 v1(964,-109)
M5_SPI_MOSI: P21.10 U27.5 | length 1529.4
  L1 w5: v1(949,-125) 949,-328 959,-338 1013.43,-338 1023.43,-328 1074.14,-328 1094.14,-348 1242.22,-348 1259.22,-331 1306.57,-331 1323,-347.43 1323,-349.21 1331.79,-358 1377,-358 1381,-354 v1(1381,-353) ; v1(1379,-740) 1383.37,-744.37 U27.5@1383.37,-797.27
  L2 w5: v1(1379,-740) 1393,-726 1393,-544 1379,-530 1381,-528 v1(1381,-353)
  L4 w5: P21.10@700.71,60.67 700.71,30.29 704,27 704,1.79 716,-10.21 716,-30.36 770.64,-85 863.85,-85 874.85,-74 930,-74 949,-93 v1(949,-125)
M5_UART_RX: P21.8 U25.5 | length 1242.2
  L1 w5: v1(874,-373) 879,-368 879,-140 874,-135 874,-117.79 897.79,-94 970.21,-94 979,-102.79 v1(979,-125) ; v1(876,-736) 905.45,-765.45 U25.5@905.45,-797.27
  L2 w5: v1(874,-373) 876,-373 876,-546 863,-559 863,-706 876,-719 v1(876,-736)
  L4 w5: P21.8@740.08,60.67 740.08,31.92 747,25 747,1 757,-9 757,-30.36 791.64,-65 855.57,-65 866.57,-54 950,-54 979,-83 v1(979,-125)
M5_UART_TX: P21.7 U24.5 | length 1419.2
  L1 w5: U24.5@666.49,-797.27 666.49,-741.51 v1(667,-741) ; v1(668,-370) 668,-369.57 670.79,-366.79 677.86,-366.79 686.07,-375 756.5,-375 758.19,-373.31 774.69,-373.31 790,-358 807,-358 840,-325 840,-281.35 869,-252.35 869,-149.14 864,-144.14 864,-113.64 893.64,-84 974.36,-84 994,-103.64 v1(994,-109)
  L2 w5: v1(667,-741) 692,-716 692,-648 691,-647 690.79,-647 677.08,-633.29 677.08,-373.08 674,-370 v1(668,-370)
  L4 w5: P21.7@759.76,60.67 759.76,34.24 778,16 778,2.79 767,-8.21 767,-26.21 795.79,-55 851.43,-55 862.43,-44 962.28,-44 994,-75.72 v1(994,-109)